# Altium PCB Payload_PCB.PcbDoc (continued)
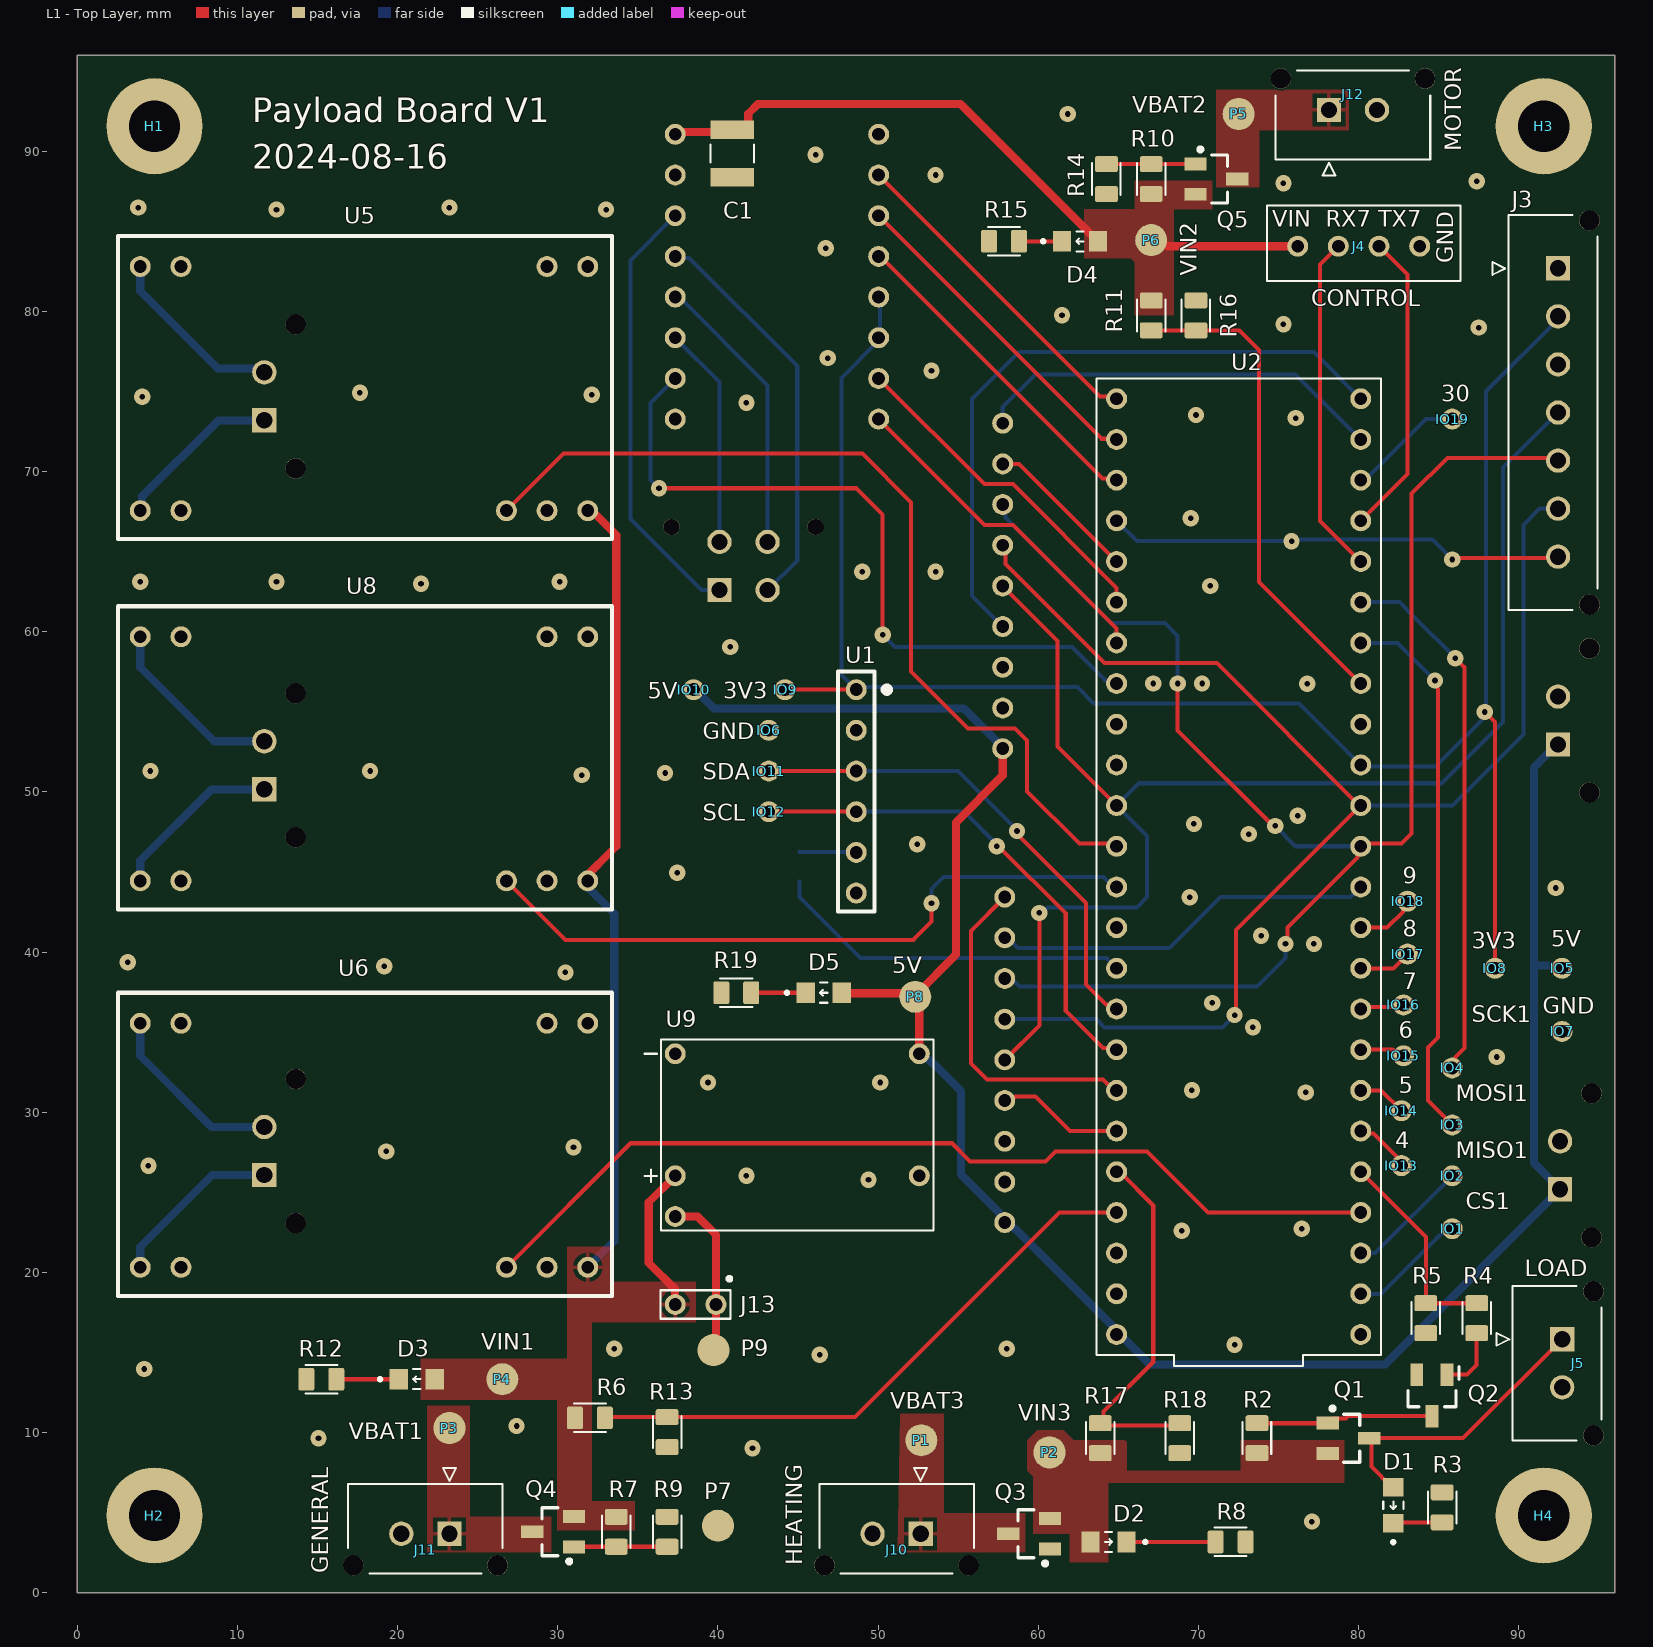
[diagram p0: L1 - Top Layer view]
## Design rules (kind name [scope] priority, off if disabled: settings)
BoardOutlineClearance [All] p1: gap=0.4 ignorepadtopadclearanceinfootprint=FALSE except(0.254: SMDPad-OutlineEdge SMDPad-CavityEdge SMDPad-CutoutEdge SMDPad-SplitBarrior SMDPad-SplitContinuation)
Clearance [All] p1: gap=0.127 ignorepadtopadclearanceinfootprint=TRUE
Clearance Clearance_1 [All] p2: gap=0.127 ignorepadtopadclearanceinfootprint=TRUE except(0: Poly-Hole; 0.051: Track-Track; 0.089: Arc-Region Arc-Text Arc-Hole Track-Region Track-Text Track-Hole SMDPad-Region SMDPad-Text SMDPad-Hole THPad-Region THPad-Text THPad-Hole Via-Region Via-Text Via-Hole Fill-Region Fill-Text Fill-Hole Poly-Poly Poly-Region Poly-Text Region-Region Region-Text Region-Hole Text-Text Text-Hole)
DiffPairsRouting CAN_BUS [InDifferentialPair('CAN')] p1: maxlimit=0.203 minlimit=0.127 mostfreqgap=0.203 toplayer_mingap=0.203 toplayer_minwidth=0.162 toplayer_maxwidth=0.162 toplayer_prefwidth=0.162 midlayer1_maxgap=0.127 midlayer1_prefgap=0.127 midlayer1_minwidth=0.064 midlayer1_maxwidth=0.064 midlayer1_prefwidth=0.064 midlayer2_maxgap=0.127 midlayer2_prefgap=0.127 midlayer2_minwidth=0.064 midlayer2_maxwidth=0.064 midlayer2_prefwidth=0.064 bottomlayer_mingap=0.203 bottomlayer_minwidth=0.162 bottomlayer_maxwidth=0.162 bottomlayer_prefwidth=0.162 impedanceprofiledriven=TRUE impedanceprofileid={451A8B78-8303-45AE-8CA8-9AF082179CBC} maxuncoupledlength=12.7
DiffPairsRouting USB_ST [InDifferentialPair('USB_ST')] p2: maxlimit=0.127 minlimit=0.127 mostfreqgap=0.127 toplayer_mingap=0.127 toplayer_minwidth=0.222 toplayer_maxwidth=0.222 toplayer_prefwidth=0.222 midlayer1_maxgap=0.127 midlayer1_prefgap=0.127 midlayer1_minwidth=0.134 midlayer1_maxwidth=0.134 midlayer1_prefwidth=0.134 midlayer2_maxgap=0.127 midlayer2_prefgap=0.127 midlayer2_minwidth=0.134 midlayer2_maxwidth=0.134 midlayer2_prefwidth=0.134 bottomlayer_mingap=0.127 bottomlayer_minwidth=0.222 bottomlayer_maxwidth=0.222 bottomlayer_prefwidth=0.222 impedanceprofiledriven=TRUE impedanceprofileid={04E2CF1E-A2EA-4496-BD61-B3EE23779DA1} maxuncoupledlength=12.7
DiffPairsRouting USB_GPS_D [InDifferentialPair('USB_GPS_D')] p3: maxlimit=0.127 minlimit=0.127 mostfreqgap=0.127 toplayer_mingap=0.127 toplayer_minwidth=0.222 toplayer_maxwidth=0.222 toplayer_prefwidth=0.222 midlayer1_maxgap=0.127 midlayer1_prefgap=0.127 midlayer1_minwidth=0.134 midlayer1_maxwidth=0.134 midlayer1_prefwidth=0.134 midlayer2_maxgap=0.127 midlayer2_prefgap=0.127 midlayer2_minwidth=0.134 midlayer2_maxwidth=0.134 midlayer2_prefwidth=0.134 bottomlayer_mingap=0.127 bottomlayer_minwidth=0.222 bottomlayer_maxwidth=0.222 bottomlayer_prefwidth=0.222 impedanceprofiledriven=TRUE impedanceprofileid={04E2CF1E-A2EA-4496-BD61-B3EE23779DA1} maxuncoupledlength=12.7
DiffPairsRouting USB_GPS [InDifferentialPair('USB_GPS')] p4: maxlimit=0.127 minlimit=0.127 mostfreqgap=0.127 toplayer_mingap=0.127 toplayer_minwidth=0.222 toplayer_maxwidth=0.222 toplayer_prefwidth=0.222 midlayer1_maxgap=0.127 midlayer1_prefgap=0.127 midlayer1_minwidth=0.134 midlayer1_maxwidth=0.134 midlayer1_prefwidth=0.134 midlayer2_maxgap=0.127 midlayer2_prefgap=0.127 midlayer2_minwidth=0.134 midlayer2_maxwidth=0.134 midlayer2_prefwidth=0.134 bottomlayer_mingap=0.127 bottomlayer_minwidth=0.222 bottomlayer_maxwidth=0.222 bottomlayer_prefwidth=0.222 impedanceprofiledriven=TRUE impedanceprofileid={04E2CF1E-A2EA-4496-BD61-B3EE23779DA1} maxuncoupledlength=12.7
DiffPairsRouting USB_CONN [InDifferentialPair('USB_CONN')] p5: maxlimit=0.127 minlimit=0.127 mostfreqgap=0.127 toplayer_mingap=0.127 toplayer_minwidth=0.222 toplayer_maxwidth=0.222 toplayer_prefwidth=0.222 midlayer1_maxgap=0.127 midlayer1_prefgap=0.127 midlayer1_minwidth=0.134 midlayer1_maxwidth=0.134 midlayer1_prefwidth=0.134 midlayer2_maxgap=0.127 midlayer2_prefgap=0.127 midlayer2_minwidth=0.134 midlayer2_maxwidth=0.134 midlayer2_prefwidth=0.134 bottomlayer_mingap=0.127 bottomlayer_minwidth=0.222 bottomlayer_maxwidth=0.222 bottomlayer_prefwidth=0.222 impedanceprofiledriven=TRUE impedanceprofileid={04E2CF1E-A2EA-4496-BD61-B3EE23779DA1} maxuncoupledlength=12.7
DiffPairsRouting USB [InDifferentialPair('USB')] p6: maxlimit=0.127 minlimit=0.127 mostfreqgap=0.127 toplayer_mingap=0.127 toplayer_minwidth=0.222 toplayer_maxwidth=0.222 toplayer_prefwidth=0.222 midlayer1_maxgap=0.127 midlayer1_prefgap=0.127 midlayer1_minwidth=0.134 midlayer1_maxwidth=0.134 midlayer1_prefwidth=0.134 midlayer2_maxgap=0.127 midlayer2_prefgap=0.127 midlayer2_minwidth=0.134 midlayer2_maxwidth=0.134 midlayer2_prefwidth=0.134 bottomlayer_mingap=0.127 bottomlayer_minwidth=0.222 bottomlayer_maxwidth=0.222 bottomlayer_prefwidth=0.222 impedanceprofiledriven=TRUE impedanceprofileid={04E2CF1E-A2EA-4496-BD61-B3EE23779DA1} maxuncoupledlength=12.7
DiffPairsRouting [All] p7: maxlimit=0.254 minlimit=0.254 mostfreqgap=0.254 toplayer_minwidth=0.381 toplayer_maxwidth=0.381 toplayer_prefwidth=0.381 midlayer1_minwidth=0.381 midlayer1_maxwidth=0.381 midlayer1_prefwidth=0.381 midlayer2_minwidth=0.381 midlayer2_maxwidth=0.381 midlayer2_prefwidth=0.381 bottomlayer_minwidth=0.381 bottomlayer_maxwidth=0.381 bottomlayer_prefwidth=0.381 maxuncoupledlength=12.7
HoleSize [IsPad] p1: absolutevalues=TRUE maxlimit=5.08 minlimit=0.025 maxpercent=80.000 minpercent=20.000
HoleToHoleClearance [Not IsVia vs Not IsVia] p1: gap=0.5 allowstackedmicrovias=TRUE
MinimumAnnularRing [All] p1: minimumring=0.1
MinimumSolderMaskSliver [All] p1: minsoldermaskwidth=0.051
PolygonConnect PolygonConnect_GND [InNet('GND') vs InNet('GND')] p1: thpad.connectstyle=Relief thpad.reliefconductorwidth=0.254 thpad.reliefentries=4 thpad.polygonreliefangle="90 Angle" thpad.airgapwidth=0.254 smdpad.connectstyle=Relief smdpad.reliefconductorwidth=0.254 smdpad.reliefentries=4 smdpad.polygonreliefangle="90 Angle" smdpad.airgapwidth=0.254 via.connectstyle=Direct via.reliefconductorwidth=0.254 via.reliefentries=4 via.polygonreliefangle="90 Angle" via.airgapwidth=0.254
PolygonConnect [All] p2: thpad.connectstyle=Relief thpad.reliefconductorwidth=0.254 thpad.reliefentries=4 thpad.polygonreliefangle="90 Angle" thpad.airgapwidth=0.254 smdpad.connectstyle=Direct smdpad.reliefconductorwidth=0.254 smdpad.reliefentries=4 smdpad.polygonreliefangle="90 Angle" smdpad.airgapwidth=0.254 via.connectstyle=Direct via.reliefconductorwidth=0.254 via.reliefentries=4 via.polygonreliefangle="90 Angle" via.airgapwidth=0.254
RoutingVias [All] p1: holewidth=0.254 width=0.521 viastyle="Through Hole" minholewidth=0.3 minwidth=0.4 maxholewidth=1.905 maxwidth=2.54
ShortCircuit [Not InAnyNet vs Not InAnyNet] p1: allowed=FALSE
SilkToSolderMaskClearance [IsPad] p1: minsilkscreentomaskgap=0.15 clearancetoexposedcopper=TRUE
SolderMaskExpansion SolderMaskExpansion_Via [IsVia] p1: expansion=0.102 istentingtop=TRUE
SolderMaskExpansion SolderMaskExpansion_1 [All] p2: expansion=0.102 istentingtop=FALSE
SupplyNets "Schematic Supply Nets_3" [InNet('VIN1')] p1: voltage=0.000
SupplyNets "Schematic Supply Nets_8" [InNet('VIN3')] p2: voltage=0.000
SupplyNets "Schematic Supply Nets_7" [InNet('VIN2')] p3: voltage=0.000
SupplyNets "Schematic Supply Nets_6" [InNet('GND')] p4: voltage=0.000
SupplyNets "Schematic Supply Nets_5" [InNet('VBAT3')] p5: voltage=0.000
SupplyNets "Schematic Supply Nets_4" [InNet('VBAT1')] p6: voltage=0.000
SupplyNets "Schematic Supply Nets_2" [InNet('VBAT2')] p7: voltage=0.000
SupplyNets "Schematic Supply Nets_1" [InNet('+3V3')] p8: voltage=0.000
SupplyNets "Schematic Supply Nets" [InNet('+5V')] p9: voltage=0.000
UnRoutedNet [All] p1: checkbadconnections=TRUE
Width [All] p1: maxlimit=1.27 minlimit=0.127 preferedwidth=0.254
23 further rules are at their usual default settings.

## Classes and differential pairs
component class "Power Management": 3 D2 D3 D4 D5 J10 J11 J12 J13 P1 P2 P3 P4 P5 P6 P7 P8 P9 Q3 Q4 Q5 R6 R7 R8 R9 R10 R11 R12 R13 R14 R15 R16 R17 R18 R19 U9
component class "MCU, Radios, and Sensors": H1 H2 H3 H4 IO1 IO2 IO3 IO4 IO5 IO6 IO7 IO8 IO9 IO10 IO11 IO12 IO13 IO14 IO15 IO16 IO17 IO18 IO19 J1 J2 J3 J4 R1 U1 U2 U3 U4
component class "LEDs, and Motors": C1 J6 J7 J8 J9 U5 U6 U7 U8
component class "Battery Heating System": D1 J5 Q1 Q2 R2 R3 R4 R5

## Components (designator, comment, footprint, x,y, rotation, side; value= is the part's Value field where it differs from the comment)
C1 "100u" "1210 CAP" 40.894,89.867 r90 top
D1 "LED 0805" LED_0805 82.169,5.461 r90 top
D2 "LED 0805" LED_0805 64.389,3.175 r180 top
D3 "LED 0805" LED_0805 21.209,13.335 r0 top
D4 "LED 0805" LED_0805 62.611,84.381 r0 top
D5 "LED 0805" LED_0805 46.609,37.465 r0 top
H1 "Hole" "M3 Holes"#1 4.699,91.508 r0 top
H2 "Hole" "M3 Holes"#2 4.953,4.826 r0 top
H3 "Hole" "M3 Holes"#3 91.567,91.186 r0 top
H4 "Hole" "M3 Holes"#4 91.44,4.572 r0 top
IO1 "I/O" Pins#1 85.852,22.733 r0 top
IO2 "I/O" Pins#1 85.852,26.035 r90 top
IO3 "I/O" Pins#1 85.852,29.21 r90 top
IO4 "I/O" Pins#1 85.852,32.766 r90 top
IO5 "I/O" Pins#1 92.71,38.989 r90 top
IO6 "I/O" Pins#2 43.434,53.848 r90 top
IO7 "I/O" Pins#1 92.71,35.052 r90 top
IO8 "I/O" Pins#1 88.519,38.989 r90 top
IO9 "I/O" Pins#2 44.45,56.388 r90 top
IO10 "I/O" Pins#1 38.481,56.388 r90 top
IO11 "I/O" Pins#1 43.18,51.308 r90 top
IO12 "I/O" Pins#1 43.18,48.768 r90 top
IO13 "I/O" Pins#1 82.677,26.67 r90 top
IO14 "I/O" Pins#1 82.677,30.099 r90 top
IO15 "I/O" Pins#1 82.804,33.528 r90 top
IO16 "I/O" Pins#1 82.804,36.703 r90 top
IO17 "I/O" Pins#1 83.058,39.878 r90 top
IO18 "I/O" Pins#3 82.995,43.18 r90 top
IO19 "I/O" Pins#1 85.852,73.279 r90 top
J1 "CONN HEADER VERT 2POS 3MM" "CONN HEADER VERT 2POS 3MM" 92.583,25.194 r270 bottom
J2 "CONN HEADER VERT 2POS 3MM" "CONN HEADER VERT 2POS 3MM" 92.456,52.959 r270 bottom locked
J3 "CONN HEADER VERT 7POS 3MM" MOLEX_436500728 92.456,82.691 r90 top locked
J4 "4 pin male header" "4 Pin Male Header" 76.2,84.074 r90 top
J5 "CONN HEADER VERT 2POS 3MM" "CONN HEADER VERT 2POS 3MM" 92.71,15.827 r90 top locked
J6 "CONN HEADER VERT 4POS 3MM" "Connector Molex MicroFit+ 4 Pos R/A" 40.101,62.583 r180 bottom
J7 "CONN HEADER VERT 2POS 3MM" "CONN HEADER VERT 2POS 3MM" 11.684,73.2 r270 bottom locked
J8 "CONN HEADER VERT 2POS 3MM" "CONN HEADER VERT 2POS 3MM" 11.684,26.083 r270 bottom locked
J9 "CONN HEADER VERT 2POS 3MM" "CONN HEADER VERT 2POS 3MM" 11.684,50.165 r270 bottom locked
J10 "CONN HEADER VERT 2POS 3MM" "CONN HEADER VERT 2POS 3MM" 52.657,3.683 r0 top locked
J11 "CONN HEADER VERT 2POS 3MM" "CONN HEADER VERT 2POS 3MM" 23.241,3.683 r0 top locked
J12 "CONN HEADER VERT 2POS 3MM" "CONN HEADER VERT 2POS 3MM" 78.153,92.583 r180 top
J13 "Jumper header" "2 Pin Male Header" 39.878,18 r270 top
P1 "Probe_5019" Testpoint#1 52.705,9.525 r0 top
P2 "Probe_5019" Testpoint#1 60.706,8.763 r0 top
P3 "Probe_5019" Testpoint#1 23.241,10.287 r0 top
P4 "Probe_5019" Testpoint#1 26.543,13.335 r0 top
P5 "Probe_5019" Testpoint#2 72.39,92.71 r180 bottom
P6 "Probe_5019" Testpoint#3 67.056,84.455 r180 bottom
P7 "Probe_5019" Testpoint#1 40.005,4.191 r0 top
P8 "Probe_5019" Testpoint#1 52.324,37.211 r0 top
P9 "Probe_5019" Testpoint#4 39.725,16.282 r0 top
Q1 "AO3407A" AO3407A 79.375,9.652 r0 top
Q2 "BSS123" BSS123 84.582,12.319 r270 top
Q3 "AO3407A" AO3407A 59.436,3.683 r180 top
Q4 "AO3407A" AO3407A 29.718,3.81 r180 top
Q5 "AO3407A" AO3407A 71.12,88.265 r0 top
R1 "0R" "res 0805" 45.085,45.339 r90 bottom
R2 "10K0" "res 0805" 73.66,9.652 r270 top
R3 "1K87" "res 0805" 85.217,5.334 r270 top
R4 "1K" "res 0805" 87.376,17.145 r90 top
R5 "10K0" "res 0805" 84.201,17.145 r90 top
R6 "10K0" "res 0805" 32.004,10.922 r180 top
R7 "10K0" "res 0805" 33.655,3.81 r270 top
R8 "1K87" "res 0805" 72.009,3.175 r180 top
R9 "10K0" "res 0805" 36.83,3.81 r270 top
R10 "10K0" "res 0805" 67.056,88.265 r90 top
R11 "10K0" "res 0805" 67.056,79.756 r90 top
R12 "10K0" "res 0805" 15.24,13.335 r0 top
R13 "3K52" "res 0805" 36.83,10.033 r90 top
R14 "10K0" "res 0805" 64.262,88.265 r90 top
R15 "10K0" "res 0805" 57.866,84.381 r0 top
R16 "3K52" "res 0805" 69.85,79.756 r270 top
R17 "2K8" "res 0805" 63.881,9.652 r90 top
R18 "10K0" "res 0805" 68.834,9.652 r270 top
R19 "1K87" "res 0805" 41.148,37.465 r0 top
U1 "10 DOF IMU Sensor" "10 DOF IMU Sensor" 48.641,56.388 r0 top
U2 "Teensy 4.1" "Teensy 4.1" 72.517,45.339 r90 top locked
U3 "RFM96W" RFM95W 57.785,52.705 r0 bottom locked
U4 "RFM95W" RFM95W 57.912,23.114 r0 bottom locked
U5 "NLDD-700H" NLDD-700H 31.877,82.804 r270 top locked
U6 "NLDD-700H" NLDD-700H 31.877,35.56 r270 top locked
U7 "DRV8825" DRV8825 50.038,91.059 r180 bottom locked
U8 "NLDD-700H" NLDD-700H 31.877,59.69 r270 top locked
U9 "PSM-302" PSM-302 37.338,23.495 r180 top locked

## Footprints (in the part's own frame and the unit in brackets; to place one, negate y for a bottom-side part, rotate by r counter-clockwise, add the part's x,y. Pads: shape width x height; smd on the part's side, far side on the other; paste and mask are expansions set on the pad)
"2 Pin Male Header" [mm]
  round 1.308 hole 0.8: 1(0,0) 2(0,-2.54)
  silkscreen extent -1.72,-3.45 0.89,0.96, body extent -1.32,-3.84 1.22,1.24, height 8.89
"4 Pin Male Header" [mm]
  round 1.308 hole 0.8: 1(0,0) 2(0,-2.54) 3(0,-5.08) 4(0,-7.62)
"10 DOF IMU Sensor" [mm]
  round 1.308 hole 0.8: 1(0,0) 2(0,-2.54) 3(0,-5.08) 4(0,-7.62) 5(0,-10.16) 6(0,-12.7)
  silkscreen extent -1.14,-13.84 2.03,1.14
"1210 CAP" [mm]
  rect 1.16x2.72 smd: 1(-1.475,0) 2(1.475,0)
  silkscreen extent -0.57,-1.35 0.57,1.35, body extent -1.55,-1.25 1.65,1.25, height 1.9
AO3407A [mm]
  rect 1.4x0.8 smd: 1(-1.3,0.95) 2(-1.3,-0.95) 3(1.3,0)
  silkscreen extent -1.12,-1.5 0.7,1.97, body extent -1.25,-1.47 1.25,1.53, height 1.1
BSS123 [mm]
  rect 1.4x0.8 smd: 1(-1.3,0.95) 2(-1.3,-0.95) 3(1.3,0)
  silkscreen extent -1.8,-1.5 0.7,1.7, body extent -1.25,-1.5 1.25,1.5, height 1.1
"CONN HEADER VERT 2POS 3MM" [mm]
  rect 1.52x1.52 / inner round 1.52 / far side rect 1.52x1.52 hole 1.02 mask+0.076: 1(0,0)
  round 1.52 hole 1.02 mask+0.076: 2(-3,0)
  round 1.27 hole 1.27 unplated mask+0.076: ""(-6,-1.96) ""(3,-1.96)
  silkscreen extent -6.32,-2.47 3.32,4.1, body extent -6.22,-2.54 3.43,3.03, height 10.16
"Connector Molex MicroFit+ 4 Pos R/A" [mm] "3.00 mm pitch Dual Row Right Angle (2125280400)"
  rect 1.52x1.52 / inner round 1.52 / far side rect 1.52x1.52 hole 1.02 mask+0.076: 1(0,0.025)
  round 1.52 hole 1.02 mask+0.076: 2(-3,0.025) 3(0,3.025) 4(-3,3.025)
  round 1.02 hole 1.02 unplated mask+0.076: ""(-6,3.965) ""(3,3.965)
  silkscreen extent -6.58,-2.44 4.63,6.33, body extent -6.58,-2.4 3.57,6.37, height 9.95
DRV8825 [mm]
  round 1.308 hole 0.8: 1(0,0) 2(0,-2.54) 3(0,-5.08) 4(0,-7.62) 5(0,-10.16) 6(0,-12.7) 7(0,-15.24) 8(0,-17.78) 9(12.7,-17.78) 10(12.7,-15.24) 11(12.7,-12.7) 12(12.7,-10.16) 13(12.7,-7.62) 14(12.7,-5.08) 15(12.7,-2.54) 16(12.7,0)
  silkscreen extent -2.62,-19.33 14.2,1.5, body extent -1.27,-19.05 13.97,1.27, height 10.89
LED_0805 [mm]
  rect 1.15x1.3 smd: 1(-1.125,0) 2(1.125,0)
  silkscreen extent -2.4,-0.63 0.23,0.63, body extent -0.81,-0.4 0.8,0.4, height 0.74
"M3 Holes"#1 [mm]
  round 6 hole 3.2: 1(0.127,0.059)
"M3 Holes"#2 [mm]
  round 6 hole 3.2: 1(-0.127,0)
"M3 Holes"#3 [mm]
  round 6 hole 3.2: 1(0,0.381)
"M3 Holes"#4 [mm]
  round 6 hole 3.2: 1(0.127,0.254)
MOLEX_436500728 [mm]
  rect 1.52x1.52 / inner round 1.52 / far side rect 1.52x1.52 hole 1.02: 1(0,0)
  round 1.52 hole 1.02 mask+0.076: 2(-3,0) 3(-6,0) 4(-9,0) 5(-12,0) 6(-15,0) 7(-18,0)
  round 1.27 hole 1.27 unplated mask+0.076: ""(-21,-1.96) ""(3,-1.96)
  silkscreen extent -21.32,-2.47 3.32,4.1, body extent -21.34,-2.44 3.3,3.13, height 10
NLDD-700H [mm]
  round 1.308 hole 0.8: 1(15.24,0) 2(15.24,-2.54) 3(15.24,-5.08) 4(15.24,-25.4) 5(15.24,-27.94) 6(0,-27.94) 7(0,-25.4) 8(0,-2.54) 9(0,0)
  silkscreen extent -1.91,-29.34 17.02,1.52, body extent -2.67,-30.05 17.83,2.05, height 18.1
Pins#1 [mm]
  round 1.308 hole 0.8: 1(0,0)
Pins#2 [mm]
  round 1.308 hole 0.8: 1(0,0.254)
Pins#3 [mm]
  round 1.308 hole 0.8: 1(0,-0.064)
PSM-302 [mm]
  round 1.308 hole 0.8: 1(0,0) 2(0,-2.54) 3(0,-10.16) 4(-15.24,-2.54) 5(-15.24,-10.16)
  silkscreen extent -16.13,-11.05 1.91,0.89
"res 0805" [mm]
  rrect25% 1x1.42 smd: 1(-0.935,0) 2(0.935,0)
  silkscreen extent -1,-0.89 1,0.89, body extent -0.8,-0.4 0.8,0.46, height 0.48
RFM95W [mm]
  round 1.308 hole 0.8: 1(0,0) 2(0,-2.54) 3(0,-5.08) 4(0,-7.62) 5(0,-10.16) 6(0,-12.7) 7(0,-15.24) 8(0,-17.78) 9(0,-20.32)
  silkscreen extent -3.99,-22.99 26.77,2.29, body extent -2.59,-22.86 26.62,2.54, height 8.07
"Teensy 4.1" [mm]
  round 1.308 hole 0.8: 1(-29.21,-7.62) 2(-26.67,-7.62) 3(-24.13,-7.62) 4(-21.59,-7.62) 5(-19.05,-7.62) 6(-16.51,-7.62) 7(-13.97,-7.62) 8(-11.43,-7.62) 9(-8.89,-7.62) 10(-6.35,-7.62) 11(-3.81,-7.62) 12(-1.27,-7.62) 13(1.27,-7.62) 14(3.81,-7.62) 15(6.35,-7.62) 16(8.89,-7.62) 17(11.43,-7.62) 18(13.97,-7.62) 19(16.51,-7.62) 20(19.05,-7.62) 21(21.59,-7.62) 22(24.13,-7.62) 23(26.67,-7.62) 24(29.21,-7.62) 25(29.21,7.62) 26(26.67,7.62) 27(24.13,7.62) 28(21.59,7.62) 29(19.05,7.62) 30(16.51,7.62) 31(13.97,7.62) 32(11.43,7.62) 33(8.89,7.62) 34(6.35,7.62) 35(3.81,7.62) 36(1.27,7.62) 37(-1.27,7.62) 38(-3.81,7.62) 39(-6.35,7.62) 40(-8.89,7.62) 41(-11.43,7.62) 42(-13.97,7.62) 43(-16.51,7.62) 44(-19.05,7.62) 45(-21.59,7.62) 46(-24.13,7.62) 47(-26.67,7.62) 48(-29.21,7.62)
  silkscreen extent -31.18,-8.89 30.48,8.89, body extent -31.21,-8.89 30.45,8.89, height 12.15
Testpoint#1 [mm]
  round 2 smd: 1(0,0)
Testpoint#2 [mm]
  round 2 smd far side: 1(-0.127,-0.381)
Testpoint#3 [mm]
  round 2 smd far side: 1(0,0)
Testpoint#4 [mm]
  round 2 smd: 1(0,-1.129)

## Part data
C1: library part "CAP 0805", Check_prices=https://www.snapeda.com/parts/C2012X8R1H104K125AA/TDK/view-part/?ref=eda, SnapEDA_Link=https://www.snapeda.com/parts/C2012X8R1H104K125AA/TDK/view-part/?ref=snap
D1 D2 D3 D4 D5: "Red LED Indication - Discrete 1.7V 0805 (2012 Metric)", Package=None, Availability=Unavailable, MP=7012X1, Price=None
J1 J2 J5 J7 J8 J9 J10 J11 J12: library part 0436500228, "Rectangular Power Connector, 2 Contact(s), Female, Solder Terminal", Contact Resistance=10mR, Dielectric Withstanding Voltage (AC)=1.5kV, Flammability Rating="UL94 V-0", Insulation Color=Black, Insulation Resistance=1GR, Manufacturer=Molex, Manufacturer Part Number=43650-0228, Manufacturer Series=43650, Max Operating Temperature=105°C, Min Operating Temperature=-40°C, Package=None, Rated Current (Signal)=5A, Supplier Part Number=538-43650-0228, Availability=Unavailable, Board Mounting Option=PEG, Body Breadth=0.219inch, Body Depth=0.39inch, Body Length=0.38inch, Body/Shell Style=RECEPTACLE, Category="Headers and Wire Housings", ComponentLink1Description=https://datasheet.ciiva.com:443/pdfs/VipMasterIC/IC/MOLE/MOLES07498/MOLES07498-1.pdf?src-supplier=IHS+Markit, ComponentLink1URL=https://datasheet.ciiva.com:443/pdfs/VipMasterIC/IC/MOLE/MOLES07498/MOLES07498-1.pdf?src-supplier=IHS+Markit, ComponentLink2Description=https://datasheet.ciiva.com/13550/0436500228-pcb-headers-148884-13550297.pdf?src-supplier=Mouser, ComponentLink2URL=https://datasheet.ciiva.com/13550/0436500228-pcb-headers-148884-13550297.pdf?src-supplier=Mouser, Connector Type=Power,Rectangular, Contact Finish - Mating=AU, Contact Finish - Termination="TIN/LEAD OVER NICKEL", Contact Gender=Male, Contact Material=Brass, Contact Pattern=RECTANGULAR, Contact Style="SQ PIN-SKT", DIN Conformance=No, Durability=30Cycles, Empty Shell=No, Filter Feature=No, IEC Conformance=No, Insertion Force-Max=8.0064N, Insulation Material=Polymer, Mating Contact Pitch=0.118inch, Mating Information="MULTIPLE MATING PARTS AVAILABLE", MF=Molex, MIL Conformance=No, Mixed Contacts=No, Mounting Option 1="POLARIZED LCK", Mounting Option 2=LOCKING, Mounting Style=STRAIGHT, Mounting Technology=Board, MP=0436500200, Number Of Connectors=1, Number of Contacts=2, Number Of PCB Rows=1, Number of Rows Loaded=1, Option="General Purpose", PCB Contact Pattern=RECTANGULAR, Plating Thickness=15uin, Polarization Key="POLARIZED HOUSING", Price=None, Pricing="1=0.78, 10=0.537, 50=0.537, 100=0.537, 1000=0.536, 10000=0.473 (USD)", Reach SVHC Compliant=Yes, Reference Standard=UL, Reliability=COMMERCIAL, RoHS=Yes, RoHS Compliant=Yes, Shell Material=Polymer, SnapEDA_Link=https://www.snapeda.com/parts/0436500200/Molex/view-part/552556/?ref=snap, Stock=12783, Supplier=Mouser, Terminal Length=0.125inch, Terminal Pitch=2.9972mm, Termination=Solder, Withdrawl Force-Min=3.614N
J3: library part 436500728, "Connector Header Through Hole 7 position 0.118 (3.00mm)", Package=None, Check_prices=https://www.snapeda.com/parts/436500728/Molex/view-part/?ref=eda, Digi-Key_Part_Number=WM10682-ND, MF=Molex, MP=436500728, SnapEDA_Link=https://www.snapeda.com/parts/436500728/Molex/view-part/?ref=snap
J6: library part 430450428, Package=None, Availability=Unavailable, MP=430450428, Price=None
J13: library part "2 Pin Male Header", "Board Connector, 2 Contact(s), 1 Row(s), Male, Straight, 0.1 inch Pitch, Solder Terminal, Black Insulator, Receptacle", Insulation Color=Black, Manufacturer="TE Connectivity", Manufacturer Part Number=5-146277-2, Supplier Part Number=A121371-ND, Body Breadth=0.092inch, Body Depth=0.09inch, Body Length=0.184inch, Body/Shell Style=RECEPTACLE, Category=Connectors, ComponentLink1Description=https://datasheet.ciiva.com:443/pdfs/VipMasterIC/IC/TYEL/TYEL-L-A0003497673/TYEL-S-A0000657051-1.pdf?src-supplier=IHS+Markit, ComponentLink1URL=https://datasheet.ciiva.com:443/pdfs/VipMasterIC/IC/TYEL/TYEL-L-A0003497673/TYEL-S-A0000657051-1.pdf?src-supplier=IHS+Markit, ComponentLink2Description=https://datasheet.ciiva.com/22660/1537112-22660377.pdf?src-supplier=Element14, ComponentLink2URL=https://datasheet.ciiva.com/22660/1537112-22660377.pdf?src-supplier=Element14, ComponentLink3Description=https://datasheet.ciiva.com/717/eng-cd-146277-h-146277-1-c-dwg-717333.pdf?src-supplier=Digikey, ComponentLink3URL=https://datasheet.ciiva.com/717/eng-cd-146277-h-146277-1-c-dwg-717333.pdf?src-supplier=Digikey, ComponentLink4Description=https://datasheet.ciiva.com/16426/eng-cd-146277-g2-16426389.pdf?src-supplier=Future+Electronics, ComponentLink4URL=https://datasheet.ciiva.com/16426/eng-cd-146277-g2-16426389.pdf?src-supplier=Future+Electronics, ComponentLink5Description=https://datasheet.ciiva.com/30096/146277-30096236.pdf?src-supplier=Onlinecomponents.com, ComponentLink5URL=https://datasheet.ciiva.com/30096/146277-30096236.pdf?src-supplier=Onlinecomponents.com, Connector Type="BOARD CONNECTOR", Contact Finish - Mating="MATTE TIN", Contact Finish - Termination="MATTE TIN", Contact Gender=Male, Contact Pattern=RECTANGULAR, Contact Style="SQ PIN-SKT", DIN Conformance=No, Filter Feature=No, IEC Conformance=No, Insulation Material=Polymer, JESD-609 Code=e3, Mating Contact Pitch=0.1inch, MIL Conformance=No, Mixed Contacts=No, Mounting Style=STRAIGHT, Mounting Technology=Board, Number Of Connectors=1, Number of Contacts=2, Number Of PCB Rows=1, Number of Rows Loaded=1, Option="General Purpose", PCB Contact Pattern=RECTANGULAR, Plating Thickness=30uin, Pricing="1=0.41, 10=0.372, 100=0.3099, 500=0.2634, 1000=0.23087, 5000=0.20608, 10000=0.19176 (USD)", Reach SVHC Compliant=Yes, Reference Standard=UL, Reliability=COMMERCIAL, RoHS=Yes, RoHS Compliant=Yes, Stock=17660, Supplier=Digikey, Terminal Length=0.125inch, Terminal Pitch=2.54mm, Termination=Solder